# Altium PCB Discharge_B4.PcbDoc (part 1 of 2) (continued)
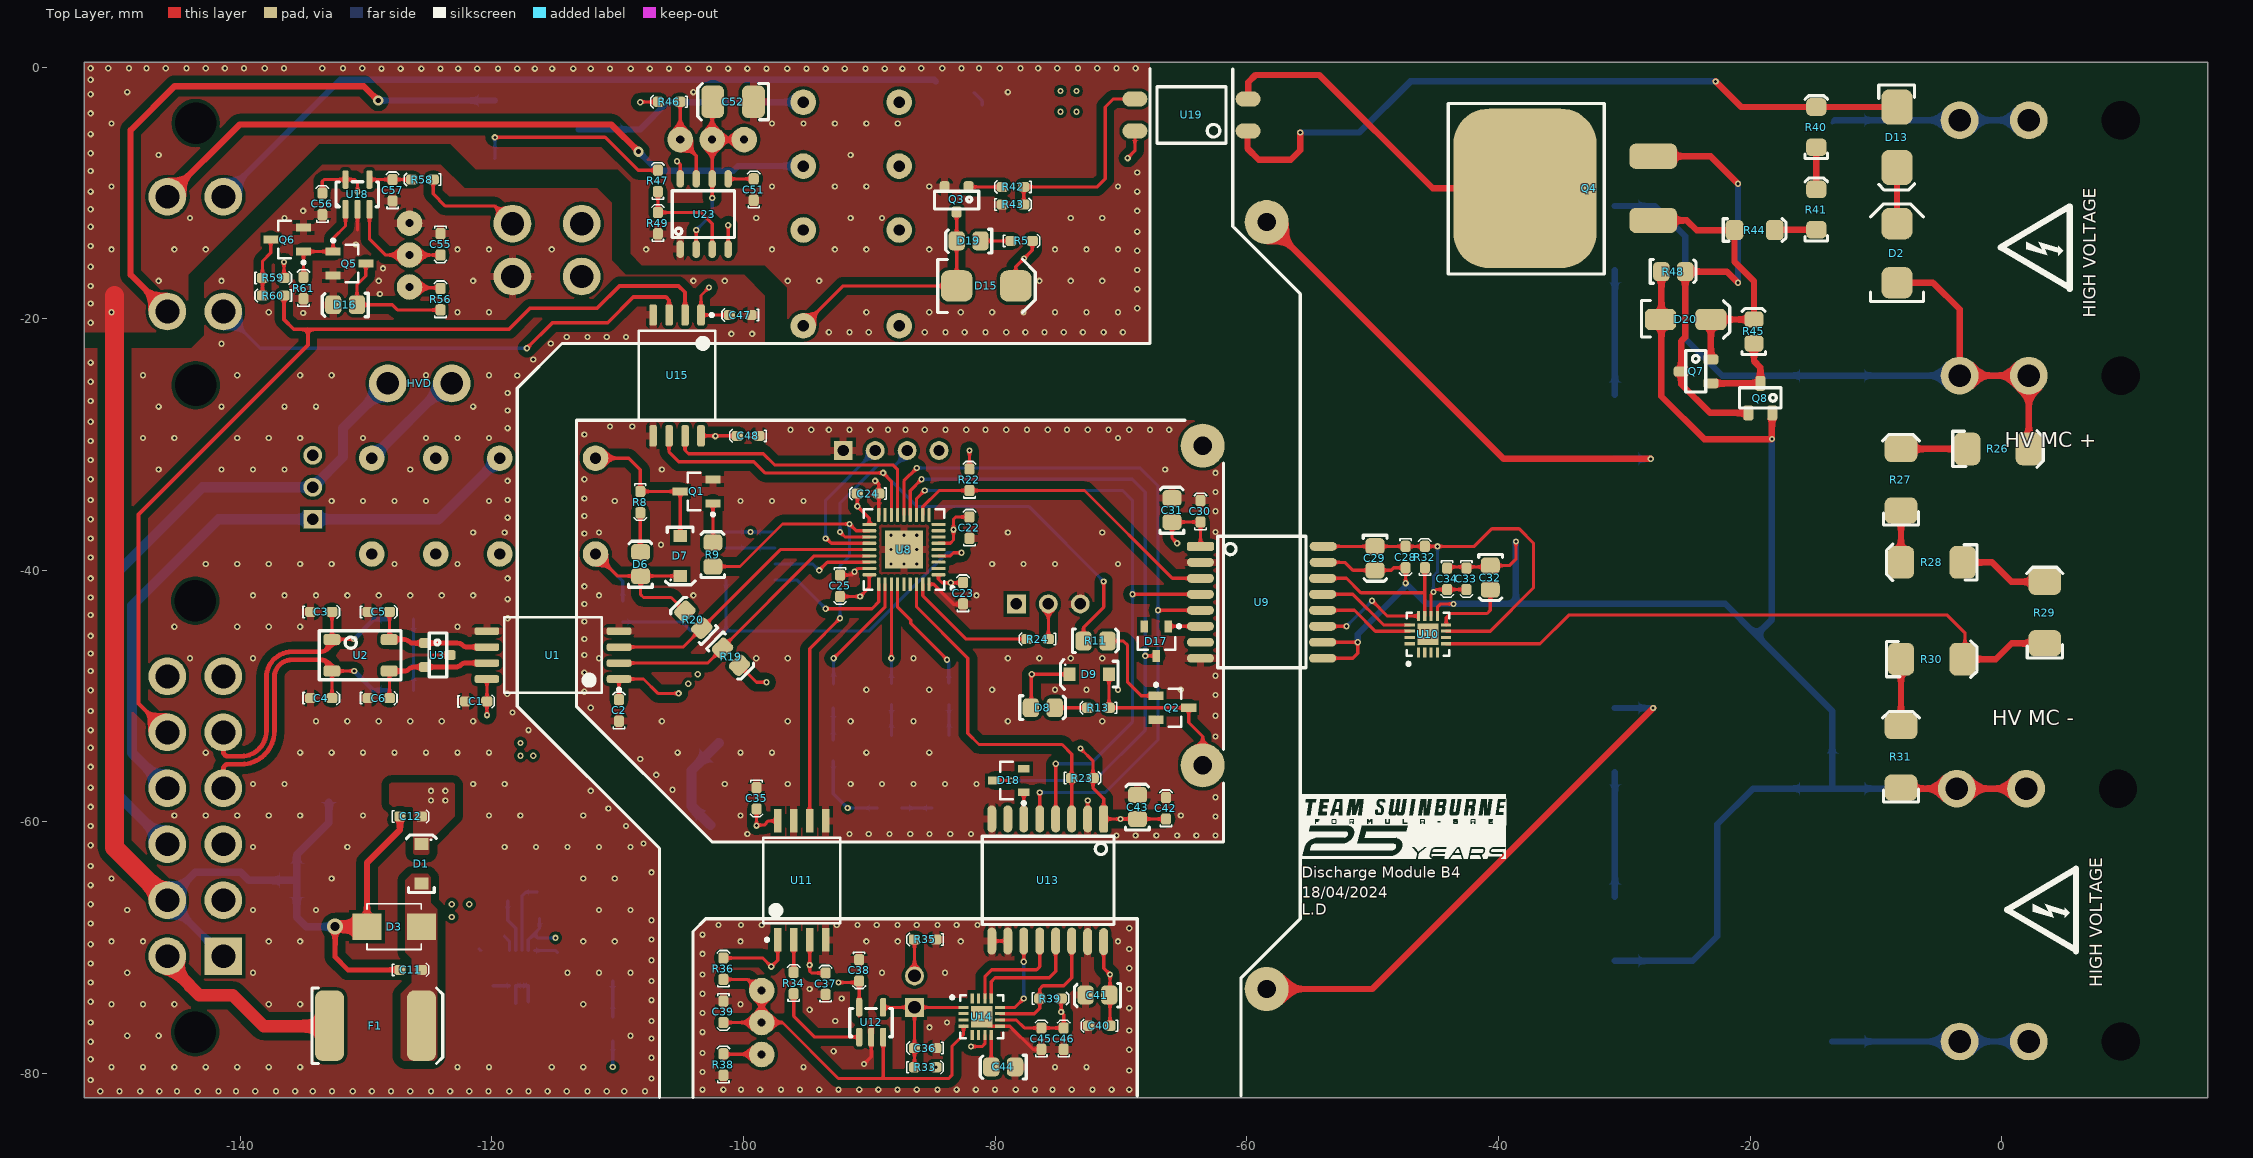
[diagram p0: Top Layer view]
## Components (designator, comment, footprint, x,y, rotation, side; value= is the part's Value field where it differs from the comment) (continued)
HVD "39293026" 39293026 -125.73,-25.146 r90 top (schematic designator P12)
K1 "V23105A5475A201" "TI 2-DIL" -120.65,-34.898 r180 bottom
K2 "V23105A5303A201" "TI 2-DIL" -91.44,-11.684 r90 bottom
L1 "12uH" 1812 -128.143,-77.343 r180 bottom
L2 "4.7uH" SRN3015TA-4R7M -122.047,-70.104 r0 bottom
L3 "47 uH" 82473C -102.28,-53.422 r315 bottom
P1 "DTF13-12P" DTF13-12P -145.796,-59.563 r90 bottom
P2 "1.27mm" 3221-10-0300-00 -99.441,-38.227 r90 bottom
P3 "39300020" 39300020 2.159,-4.23 r270 bottom
P4 "39300020" 39300020 2.159,-77.455 r270 bottom
P5 "39300020" 39300020 2.159,-24.528 r270 bottom
P6 "39300020" 39300020 1.944,-57.355 r270 bottom
P7 "2.54mm" "TH 2.54mm Header 1x3" -134.239,-35.941 r90 bottom
P9 "2.54mm" "TH 2.54mm Header 1x4" -92.075,-30.48 r0 bottom
P10 "2.54mm" "TH 2.54mm Header 1x3" -78.31,-42.672 r0 bottom
P11 "B2B-XH-A(LF)(SN)" "XH 2 PIN VERT" -86.536,-73.491 r90 bottom
Q1 "SQ2308CES-T1_GE3" "VSHY SOT-23-3" -103.729,-33.733 r180 top
Q2 "SQ2308CES-T1_GE3" "VSHY SOT-23-3" -65.913,-50.927 r0 top
Q3 "BC817-16LT1" "ON SOT-23 BJT" -83.058,-10.525 r180 top
Q4 "R6015ENJTL" "R TO-263 N-MOSFET" -37.886,-9.642 r90 top
Q5 "SQ2308CES-T1_GE3" "VSHY SOT-23-3" -131.318,-15.616 r0 top
Q6 "SQ2308CES-T1_GE3" "VSHY SOT-23-3" -136.271,-13.716 r180 top
Q7 "BC858ALT1G" "ON TO-236-3 BJT" -25.314,-24.191 r270 top
Q8 "BC848ALT1G" "ON TO-236-3 BJT" -19.177,-25.291 r180 top
Q9 "STD70N10F4" "STM TO-252 MOSFET" -112.761,-4.917 r270 bottom
R1 "15k" TE_SMF7 -13.462,-14.478 r270 bottom
R2 "15k" TE_SMF7 -13.462,-67.405 r90 bottom
R3 "56R" 0805 -127.2,-49.504 r180 bottom
R4 "56R" 0805 -127.176,-43.894 r0 bottom
R5 "2K" 0603 -78.74,-13.817 r0 top
R6 "2K" 0603 -110.389,-70.944 r270 bottom
R7 "1k" 0603 -83.312,-58.902 r180 bottom
R8 "1k" 0603 -108.204,-33.733 r270 top
R9 "100R" 0805 -102.455,-38.735 r90 top
R10 "PWR263S-35-1001J" "B TO-263" -40.937,-13.593 r270 bottom value=1k
R11 "100R" 0805 -72.009,-45.593 r0 top
R12 "PWR263S-35-1001J" "B TO-263" -40.937,-28.593 r270 bottom value=1k
R13 "1k" 0603 -70.942,-50.927 r180 top
R14 "PWR263S-35-1001J" "B TO-263" -40.937,-53.492 r270 bottom value=1k
R15 "PWR263S-35-1001J" "B TO-263" -40.937,-68.492 r270 bottom value=1k
R16 "500R" 0603 -92.863,-53.467 r270 bottom
R17 "500R" 0603 -88.249,-50.673 r90 bottom
R18 "500R" 0603 -83.693,-50.673 r90 bottom
R19 "5.1k" 0805 -100.965,-46.863 r315 top
R20 "5.1k" 0805 -104.013,-43.942 r135 top
R21 "10k" 0603 -109.601,-44.118 r90 bottom
R22 "1.2k" 0603 -82.042,-33.655 r90 top
R23 "1.2k" 0603 -73.914,-56.515 r0 top
R24 "10k" 0603 -75.77,-45.466 r180 top
R26 "330K" "VB 0207"#1 -0.491,-30.353 r0 top
R27 "330K" "VB 0207"#1 -8.001,-33.003 r90 top
R28 "330K" "VB 0207"#1 -5.351,-39.37 r180 top
R29 "330K" "VB 0207"#1 3.429,-43.561 r90 top
R30 "3.3K" "VB 0207"#2 -8.001,-47.067 r0 top
R31 "3.3K" "VB 0207"#1 -8.001,-55.027 r90 top
R32 "1.2k" 0603 -45.847,-39.8 r90 top
R33 "2K" 0603 -86.409,-79.502 r0 top
R34 "1k" 0603 -96.012,-73.66 r90 top
R35 "10k" 0603 -84.709,-69.342 r180 top
R36 "10k" 0603 -101.6,-72.517 r90 top
R37 "10K (Var)" "B 3296" -99.111,-76.032 r270 bottom
R38 "10k" 0603 -101.6,-80.137 r90 top
R39 "1.2k" 0603 -76.454,-74.041 r0 top
R40 "330K" "VB 0204" -14.732,-4.775 r90 top
R41 "330K" "VB 0204" -14.732,-11.328 r90 top
R42 "2K" 0603 -77.724,-9.525 r180 top
R43 "20K" 0603 -79.424,-10.922 r0 top
R44 "330K" "VB 0204" -19.634,-12.954 r0 top
R45 "10k" 0805 -19.711,-21.004 r90 top
R46 "5.1k" 0603 -105.063,-2.76 r180 top
R47 "10R" 0603 -106.807,-9.906 r90 top
R48 "240R" 0805 -26.084,-16.23 r0 top
R49 "20K" 0603 -106.807,-13.257 r90 top
R56 "2K" 0603 -124.079,-19.304 r90 top
R57 "10K (Var)" "B 3296" -125.984,-14.859 r90 bottom
R58 "10k" 0603 -124.665,-8.941 r180 top
R59 "1k" 0603 -138.225,-16.764 r0 top
R60 "1k" 0603 -136.525,-18.161 r180 top
R61 "20K" 0603 -134.971,-18.415 r90 top
R76 "10K (Var)" "B 3296" -102.575,-5.207 r180 bottom
U1 "ISO1042" TI-SOIC-8 -115.146,-46.736 r180 top
U2 "B82787C0104H002" "TDK 4-PC Pad" -132.715,-45.506 r0 top value="100µH @ 100kHz"
U3 "NUP2105L" "ON SOT-23" -124.333,-46.736 r270 top
U4 "744272121" "Wurth 4-PC Pad" -135.506,-72.263 r90 bottom value="120uH @ 100kHz"
U5 "LM536015QDSXRQ1" TI_10_WSON -117.61,-71.626 r270 bottom
U6 "R2S-053.3/P" "RECOM 8-SMD (5 Pin)" -109.22,-59.055 r45 bottom
U7 "3350-4275-056" "CI SPST" -63.5,-42.799 r90 bottom
U8 "STM32F103T8U6" STM_QFN-36 -87.249,-38.354 r180 top
U9 "ADUM5401" "AD 16-SOIC" -58.801,-43.815 r270 top
U10 "ADS7028" WFQN-16 -45.597,-45.089 r90 top
U11 "ADuM210N" SOIC-8W -95.377,-64.643 r90 top
U12 "TS391ILT" "ON SOT-23-5" -91.425,-78.078 r0 top
U13 "ADUM5401" "AD 16-SOIC" -77.089,-64.643 r180 top
U14 "ADS7028" WFQN-16 -81.063,-75.491 r0 top
U15 "ADuM225N" AD-SOIC-8W -105.283,-24.511 r270 top
U16 "DTF13-4P" DTF13-4P -145.796,-14.871 r90 bottom
U17 "MC7812" Onsemi_DPAK -78.74,-7.112 r270 bottom
U18 "TLV7031-Q1" "TI SOT-23-5" -131.633,-11.303 r0 top
U19 "LTV-817S-TA1" "ON 4-SMD" -64.643,-3.81 r180 top
U23 "NE555DR" "TI 8-SOIC" -102.489,-4.801 r90 top

## Footprints (in the part's own frame and the unit in brackets; to place one, negate y for a bottom-side part, rotate by r counter-clockwise, add the part's x,y. Pads: shape width x height; smd on the part's side, far side on the other; paste and mask are expansions set on the pad)
0603 [mm]
  rrect50% 0.9x0.8 smd: 1(0,0) 2(1.7,0)
  silkscreen extent -0.6,-0.5 2.3,0.5, body extent 0.05,-0.42 1.65,0.43, height 0.6
0805 [mm]
  rrect50% 1.3x1.5 smd: 1(-0.962,-0.026) 2(0.938,-0.026)
  silkscreen extent -1.85,-0.95 1.8,0.93, body extent -1,-0.65 1,0.66, height 0.73
"0805 LED" [mm]
  rrect50% 1.3x1.5 smd: A(-0.962,-0.026) K(0.938,-0.026)
  silkscreen extent -1.85,-0.95 1.8,0.93, body extent -1.09,-0.63 0.91,0.63, height 1
"1206 CAP" [mm]
  rrect50% 1.8x1.8 smd: 1(-2.81,0) 2(0.44,0)
  silkscreen extent -3.99,-1.09 1.62,1.09, body extent -2.75,-0.79 0.45,0.81, height 1.61
1210 [mm]
  rrect50% 1.8x2.6 smd: 1(-2.81,0) 2(0.44,0)
  silkscreen extent -3.99,-1.46 1.62,1.46, body extent -2.77,-1.26 0.43,1.24, height 2.51
1812 [mm]
  rrect50% 2.2x3.5 smd: 1(-1.8,0) 2(1.8,0)
  silkscreen extent -3.25,-1.75 3.25,1.75, body extent -2.25,-1.6 2.25,1.6, height 2.5
2920 [mm]
  rrect50% 2.3x5.6 smd: 1(0,0) 2(7.3,0)
  silkscreen extent -1.4,-3 9,3, body extent -0.34,-2.81 7.64,2.81, height 1.14
3221-10-0300-00 [mm]
  rect 0.76x2.4 smd: 1(-2.54,-1.95) 2(-2.54,1.95) 3(-1.27,-1.95) 4(-1.27,1.95) 5(0,-1.95) 6(0,1.95) 7(1.27,-1.95) 8(1.27,1.95) 9(2.54,-1.95) 10(2.54,1.95)
  silkscreen extent -6.35,-3.6 6.35,2.55, body extent -6.34,-2.8 6.36,2.8, height 5.25
82473C [mm]
  rrect50% 1.8x3.05 smd: 1(-2.81,0) 2(0.44,0)
  silkscreen extent -3.99,-1.68 1.62,1.73, body extent -2.81,-1.25 0.45,1.26, height 2
39293026 [mm]
  round 3 hole 1.8: 1(0,2.54) 1(0,-2.54)
  body extent -3,-5.9 3.2,5.1, height 12.8
39293046 [mm]
  round 3 hole 1.85: 1(0,0) 2(0,5.5) 3(-4.2,0) 4(-4.2,5.5)
  body extent -7.3,-2.1 3.1,8.9, height 3.5
39300020 [mm]
  round 3 hole 1.8: 1(0,0) 2(0,5.5)
  round 1.524 hole 3.05: ""(0,-7.3)
  body extent -2.7,-13.97 3.1,5.97, height 11.4
"AD 16-SOIC" [mil]
  rrect50% 28x85 smd: 1(-225,-192.02)
  oval 28x85 smd: 2(-175,-192.02) 3(-125,-192.02) 4(-75,-192.02) 5(-25,-192.02) 6(25,-192.02) 7(75,-192.02) 8(125,-192.02) 9(125,190) 10(75,189.96) 11(25,189.96) 12(-25,189.96) 13(-75,189.96) 14(-125,189.96) 15(-175,191.98) 16(-225,191.98)
  silkscreen extent -257,-138 155,138, body extent -256,-209 156,209, height 104
AD-SOIC-8W [mm]
  rrect50% 1.7x0.6 smd: 1(-4.8,1.905) 2(-4.8,0.635) 3(-4.8,-0.635) 4(-4.8,-1.905) 5(4.8,-1.905) 6(4.8,-0.635) 7(4.8,0.635) 8(4.8,1.905)
  silkscreen extent -4.92,-3.05 3.55,3.05, body extent -5.16,-3.05 5.16,3.05, height 2.65
"B 3296" [mil]
  round 80 hole 25.2: 1(-103.39,-22) 2(-3.39,-22) 3(96.61,-22)
  silkscreen extent -193,-97 187,143, body extent -191,-97 184,143, height 455
"B TO-263" [mm]
  rrect50% 2x3.8 smd: 1(-2.55,-10.2) 2(2.55,-10.2)
  rrect50% 12.7x11.4 smd: ""(0,0)
  silkscreen extent -6.8,-10.56 6.75,6.1, body extent -5.19,-11.02 5.45,4.83, height 4.8
"CHEMI-CON ELCO" [mm]
  rect 3.55x1.85 smd: 1(-2.65,0) 2(2.65,0)
  silkscreen extent -4.43,-3.3 3.3,3.3, body extent -3.7,-3.4 3.7,3.4, height 6.1
"CI SPST" [mm]
  round 3.5 hole 1.45: 1(30.48,5.08) 2(12.7,0) 3(-12.7,0) 4(-30.48,5.08)
  silkscreen extent -38.73,-8.26 38.73,13.97, body extent -38.1,-4.45 38.1,13.34, height 20.57
"DI SMA Diode" [mm]
  rrect50% 2.5x1.7 smd: A(0,0) K(4,0)
  silkscreen extent -1.5,-1.5 5.5,1.5, body extent -0.8,-1.46 4.79,1.46, height 2.35
"DI SMB Diode" [mm]
  rrect50% 2.8x2.5 smd: A(-0.25,0) K(4.55,0)
  silkscreen extent -2,-1.45 6.35,1.4, body extent -0.69,-1.45 4.89,1.47, height 2.35
DTF13-4P [mm]
  round 3 hole 3.3 unplated: 0(-10.415,2.25) 0(10.415,2.25)
  round 3 hole 1.9: 1(-4.56,4.45) 2(-4.56,0) 3(4.56,4.45) 4(4.56,0)
  silkscreen extent -5,-4.45 5,-4.45, body extent -13.68,-25.73 13.5,7.73, height 23.65
DTF13-12P [mm]
  round 3 hole 3.3 unplated: 0(-17.145,2.22) 0(17.145,2.22)
  rect 3x3 hole 1.9: 1(-11.114,4.45)
  round 3 hole 1.9: 2(-6.664,4.45) 3(-2.214,4.45) 4(2.236,4.45) 5(6.686,4.45) 6(11.136,4.45) 7(11.136,0) 8(6.686,0) 9(2.236,0) 10(-2.214,0) 11(-6.664,0) 12(-11.114,0)
  silkscreen extent -15.56,-4.45 15.59,-4.45, body extent -20.79,-27.74 20.79,6.55, height 23.13
NEXPERIA_SOT23 [mm]
  rect 0.95x0.6 smd: 2(-1.175,-0.95) A(-1.175,0.95) K(1.175,0)
  silkscreen extent -1.3,-1.5 0.7,1.93, body extent -1.33,-1.5 1.33,1.5, height 1.1
"ON 4-SMD" [mm] "SOP, 4-Leads, Body 3.85x4.4mm, Pitch 2.54mm, IPC Medium Density"
  oval 2x1.2 smd: 1(-4.75,1.27) 2(-4.75,-1.27) 3(4.25,-1.27) 4(4.25,1.27)
  silkscreen extent -3,-2.25 2.5,2.25, body extent -5.33,-2.3 4.83,2.3, height 4.6
"ON SOT-23" [mm] "NUP2105L"
  rrect50% 0.8x0.9 smd: 1(-0.95,-1) 2(0.95,-1) 3(0,1)
  silkscreen extent -1.75,-0.65 1.75,0.75, body extent -1.5,-1.27 1.5,1.28, height 1
"ON SOT-23 BJT" [mm] "NUP2105L"
  rrect50% 0.8x0.9 smd: B(-0.95,-1) C(0,1) E(0.95,-1)
  silkscreen extent -1.75,-0.65 1.75,0.75, body extent -1.5,-1.27 1.5,1.28, height 1
"ON SOT-23-5" [mil]
  rrect50% 19x58 smd: 1(24.61,38.39) 2(62.01,38.39) 3(99.41,38.39) 4(99.41,131.39) 5(24.61,131.39)
  silkscreen extent -5,39 128,128, body extent 2,27 122,145, height 57
"ON TO-236-3 BJT" [mm]
  rrect50% 0.8x1.2 smd: B(0.95,2.2) C(0,-0.15) E(-0.95,2.2)
  silkscreen extent -1.65,0.2 1.65,1.8, body extent -1.45,-0.35 1.45,2.25, height 1
Onsemi_DPAK [mm] "D-PAK, 3-Pads, Body 6.21x6.73mm (max), IPC Medium Density"
  rrect50% 3x1.6 smd: 1(-4.1,2.28) 3(-4.1,-2.28)
  rrect50% 6.4x5.8 smd: 2(3.23,0)
  silkscreen extent -4.22,-3.35 -1.25,3.45, body extent -4.39,-3.37 5.52,3.37, height 2.38
"R TO-263 N-MOSFET" [mm]
  rrect50% 12.7x11.4 smd: D(0,0)
  rrect50% 2x3.8 smd: G(-2.55,-10.2) S(2.55,-10.2)
  silkscreen extent -6.8,-6.3 6.75,6.1, body extent -5.03,-9.64 5.08,4.56, height 4.7
"RECOM 8-SMD (5 Pin)" [mm]
  rrect50% 1.2x2.4 smd: 1(-3.81,-5.4) 2(-1.27,-5.4) 4(3.81,-5.4) 5(3.81,5.5) 8(-3.81,5.5)
  silkscreen extent -6.5,-4 6.5,4, body extent -6.38,-5.55 6.38,5.55, height 9.2
SM6T39CAY-Footprint-1 [mm]
  rect 2.28x2.12 smd: A(2.165,0) K(-2.165,0)
  silkscreen extent -2.16,-1.81 2.16,1.81, body extent -2.79,-1.98 2.79,1.98, height 2.64
"SMB Diode" [mm]
  rrect50% 2.5x2.5 smd: A(-0.25,0) K(4.45,0)
  silkscreen extent -1.75,-2.1 6,2.1, body extent -0.69,-1.97 4.9,1.97, height 2.5
SODFL350X110-2N [mm] "SODFL, 2-Leads, Body 1.70x3.50mm, IPC Medium Density"
  rect 0.95x1.1 smd: A(1.575,0) K(-1.575,0)
  silkscreen extent -2.29,-1.19 2.28,1.18, body extent -1.75,-0.95 1.75,0.95, height 1.1
SOIC-8W [mm]
  rect 1.85x0.6 smd: 1(-4.725,1.905) 2(-4.725,0.635) 3(-4.725,-0.635) 4(-4.725,-1.905) 5(4.725,-1.905) 6(4.725,-0.635) 7(4.725,0.635) 8(4.725,1.905)
  silkscreen extent -4.85,-3.05 3.4,3.05, body extent -5.16,-3.05 5.16,3.05, height 2.65
SRN3015TA-4R7M [mm]
  rect 1.1x3.2 smd: 1(-1.05,0) 2(1.05,0)
  silkscreen extent -2.1,-0.05 -2,0.05, body extent -1.46,-1.47 1.61,1.47, height 1.4
"STM TO-252 MOSFET" [mm]
  rrect50% 6.7x6.7 smd: D(0.05,0.35)
  oval 1.6x3 smd: G(2.35,7) S(-2.25,7)
  silkscreen extent -3.75,-3.4 3.75,4.5, body extent -3.33,-2.67 3.39,7.75, height 2.39
STM_QFN-36 [mm]
  rrect50% 1.1x0.25 smd: 1(-2.75,2) 2(-2.75,1.5) 3(-2.75,1) 4(-2.75,0.5) 5(-2.75,0) 6(-2.75,-0.5) 7(-2.75,-1) 8(-2.75,-1.5) 9(-2.75,-2) 19(2.75,-2) 20(2.75,-1.5) 21(2.75,-1) 22(2.75,-0.5) 23(2.75,0) 24(2.75,0.5) 25(2.75,1) 26(2.75,1.5) 27(2.75,2)
  rrect50% 0.25x1.1 smd: 10(-2,-2.75) 11(-1.5,-2.75) 12(-1,-2.75) 13(-0.5,-2.75) 14(0,-2.75) 15(0.5,-2.75) 16(1,-2.75) 17(1.5,-2.75) 18(2,-2.75) 28(2,2.75) 29(1.5,2.75) 30(1,2.75) 31(0.5,2.75) 32(0,2.75) 33(-0.5,2.75) 34(-1,2.75) 35(-1.5,2.75) 36(-2,2.75)
  rect 3x3 smd: 37(0,0)
  silkscreen extent -3.99,-3.21 3.21,3.21, body extent -3.08,-3.08 3.08,3.08, height 1
"TDK 4-PC Pad" [mm]
  rrect50% 1.35x0.9 smd: 1(0,-2.5) 2(0,0) 3(4.55,0) 4(4.55,-2.5)
  silkscreen extent -1,-3.2 5.5,0.7, body extent -0.02,-2.82 4.48,0.38, height 2.8
TE_SMF7 [mm]
  rect 5.6x5.2 smd: 1(-10.05,0) 2(10.05,0)
  silkscreen extent -12.25,-4.75 12.25,4.75, body extent -12.25,-4.75 12.25,4.75, height 9.9
"TH 2.54mm Header 1x3" [mm]
  rect 1.5x1.5 hole 0.9: 1(0,0)
  round 1.5 hole 0.9: 2(2.54,0) 3(5.08,0)
  silkscreen extent -1.27,-1.27 6.35,1.27, body extent -1.27,-1.27 6.35,1.27, height 9.5
"TH 2.54mm Header 1x4" [mm]
  rect 1.5x1.5 hole 0.9: 1(0,0)
  round 1.5 hole 0.9: 2(2.54,0) 3(5.08,0) 4(7.62,0)
  silkscreen extent -1.27,-1.27 8.89,1.27, body extent -1.27,-1.27 8.89,1.27, height 9.5
"TI 2-DIL" [mil]
  round 80 hole 35.43: 1(-350,-150) 4(-50,-150) 6(150,-150) 8(350,-150) 9(350,150) 11(150,150) 13(-50,150) 16(-350,150)
  silkscreen extent -400,-200 400,200, body extent -398,-197 398,197, height 450
"TI 8-SOIC" [mm]
  oval 1.4x0.6 smd: 1(-9.677,2.54) 2(-9.677,1.27) 3(-9.677,0) 4(-9.677,-1.27) 5(-4.089,-1.27) 6(-4.089,0) 7(-4.089,1.27) 8(-4.089,2.54)
  silkscreen extent -8.74,-1.78 -5.03,3.17, body extent -9.96,-1.87 -3.76,3.14, height 1.76
"TI SOT-23-5" [mil]
  rrect50% 19x58 smd: 1(0,0) 2(37.4,0) 3(74.8,0) 4(74.8,93) 5(0,93)
  silkscreen extent -30,8 103,86, body extent -23,-12 97,106, height 57
TI-SOIC-8 [mm]
  rrect50% 1.95x0.6 smd: 1(-5.25,1.905) 2(-5.25,0.635) 3(-5.25,-0.635) 4(-5.25,-1.905) 5(5.25,-1.905) 6(5.25,-0.635) 7(5.25,0.635) 8(5.25,1.905)
  silkscreen extent -5.38,-3 3.88,3, body extent -5.75,-3 5.75,3, height 2.8
TI_10_WSON [mm]
  rect 0.85x0.25 smd: 1(-1.395,1) 2(-1.395,0.5) 3(-1.395,0) 4(-1.395,-0.5) 5(-1.395,-1) 6(1.395,-1) 7(1.395,-0.5) 8(1.395,0) 9(1.395,0.5) 10(1.395,1)
  rect 1.54x2.4 smd: 11(0,0)
  silkscreen extent -2.12,-1.68 1.67,1.72, body extent -1.58,-1.53 1.58,1.53, height 0.8
"VB 0204" [mm]
  rrect50% 1.4x1.6 smd: 1(-1.6,0) 2(1.6,0)
  silkscreen extent -2.5,-0.9 2.5,0.9, body extent -1.8,-0.7 1.8,0.7, height 1.4
"VB 0207"#1 [mm]
  rrect50% 2.1x2.6 smd: 1(-2.25,0) 2(2.65,0)
  silkscreen extent -3.4,-1.45 3.8,1.45, body extent -2.7,-1.1 3.1,1.1, height 2.19
"VB 0207"#2 [mm]
  rrect50% 2.1x2.6 smd: 1(0,0) 2(4.9,0)
  silkscreen extent -1.15,-1.45 6.05,1.45, body extent -0.45,-1.1 5.35,1.1, height 2.19
"VSHY SOT-23-3" [mm] "SOT23, 3-Leads, Body 2.92x2.37mm, Pitch 0.95mm, IPC Low Density"
  rect 1.2x0.65 smd: D(1.3,0) G(-1.3,0.95) S(-1.3,-0.95)
  silkscreen extent -1.43,-1.5 0.7,1.95, body extent -1.32,-1.52 1.32,1.52, height 1.12
WFQN-16 [mm]
  rect 0.8x0.25 smd: 1(-1.45,0.75) 2(-1.45,0.25) 3(-1.45,-0.25) 4(-1.45,-0.75) 9(1.45,-0.75) 10(1.45,-0.25) 11(1.45,0.25) 12(1.45,0.75)
  rect 0.25x0.8 smd: 5(-0.75,-1.45) 6(-0.25,-1.45) 7(0.25,-1.45) 8(0.75,-1.45) 13(0.75,1.45) 14(0.25,1.45) 15(-0.25,1.45) 16(-0.75,1.45)
  rect 1.68x1.68 smd: 17(0,0)
  silkscreen extent -2.47,-1.7 1.7,1.7, body extent -1.6,-1.6 1.6,1.6, height 0.8
"Wurth 4-PC Pad" [mm]
  rrect50% 2.7x2.7 smd: 1(7.62,6.22) 2(0,6.22) 3(0,0) 4(7.62,0)
  silkscreen extent -1.7,-1.8 9.4,8, body extent -1.19,-1.24 8.81,7.46, height 6.2
"XH 2 PIN VERT" [mm]
  round 1.508 hole 1: 1(1.25,0.127)
  rect 1.508x1.508 hole 1: 2(-1.25,0.127)
  silkscreen extent -3.7,-3.3 3.7,3.71, body extent -3.61,-3.24 3.61,2.6, height 7.21

## Part data
C1 C2 C10 C11 C12 C15 C18 C22 C23 C24 C25 C28 C30 C33 C34 C35 C36 C37 C38 C39 C40 C42 C45 C46 C47 C48 C51 C55 C56: library part GCM188L81H104KA57D, Digikey Part Number=490-6049-1-ND, Manufacturer=muRata, Rated Voltage=50V, Temperature Rating=X8L, Tolerance=±10%, Material=MLCC, Part Number=GCM188L81H104KA57D
C3 C4 C5 C6: library part GRM1885C1H101JA01D, Digikey Part Number=490-1427-1-ND, Manufacturer="Murata Electronics", Rated Voltage=50V, Temperature Rating="C0G, NP0", Tolerance=±5%, Material=MLCC, Part Number=GRM1885C1H101JA01D
C7: library part GRM21BR61A226ME51L, Digikey Part Number=490-10511-1-ND, Manufacturer=muRata, Rated Voltage=10V, Temperature Rating=X5R, Tolerance=20%, Material=MLCC, Part Number=GRM21BR61A226ME51L
C8 C9 C19 C20 C29 C31 C41 C43 C49 C50: library part GRM21BR6YA106KE43L, Digikey Part Number=490-10514-6-ND, Manufacturer=muRata, Rated Voltage=50V, Temperature Rating=X5R, Tolerance=10%, Material=MLCC, Part Number=GRM21BR6YA106KE43L
C13: library part HHXA350ARA470MF61G, Part Number=HHXA350ARA470MF61G
C14 C21: library part GRM31CR71H475KA12K, Digikey Part Number=490-GRM31CR71H475KA12KTR-ND, Manufacturer="Murata Electronics", Rated Voltage=50V, Temperature Rating=X7R, Tolerance=±10%, Material=MLCC, Part Number=GRM31CR71H475KA12K
C16 C32 C44: library part GCM21BR71H105KA03L, Digikey Part Number=490-10675-1-ND, Manufacturer=muRata, Rated Voltage=50V, Temperature Rating=X7R, Tolerance=±10%, Material=MLCC, Part Number=GCM21BR71H105KA03L
C17 C57: library part GCM188L81H103KA03D, Digikey Part Number=490-GCM188L81H103KA03DCT-ND, Manufacturer=muRata, Rated Voltage=50V, Temperature Rating=X8L, Tolerance=±10%, Material=MLCC, Part Number=GCM188L81H103KA03D
C52: library part GRM32ER71E226KE15L, Digikey Part Number=490-5313-2-ND, Manufacturer="Murata Electronics", Rated Voltage=25V, Temperature Rating=X7R, Tolerance=±10%, Material=MLCC, Part Number=GRM32ER71E226KE15L
CS: Digikey Part Number=WM3844-ND, Angle=0, Contact=Tin, Flange=No, Part Number=39293046, Pitch=4.2mm, Positions=4, Row Spacing=5.5mm
D1 D7 D9: library part CMP-004-00005-4, "Diode 100 V 1A Surface Mount SOD-123W"
D2 D15: "1.2V_F 600V 5A SMB", Digikey Part Number=1655-1530-2-ND, Manufacturer="SMC Diode Solutions", Digikey Link=https://www.digikey.com/product-detail/en/smc-diode-solutions/SD560BTR/1655-1530-2-ND/6022620, Part Number=SD560BTR
D3: library part CMP-004-00003-4, "TVS Diode Single Bi-Dir 33.3V 600W Automotive 2-Pin SMB T/R / TVS DIODE 33.3VWM 69.7VC SMB", Breakdown Voltage=39V, Case/Package=DO-214AA, Clamping Voltage=53.9V, Leakage Current=200nA, Max Breakdown Voltage=41V, Max Operating Temperature=150°C, Max Power Dissipation=600W, Max Surge Current=11.1A, Min Breakdown Voltage=37.1V, Min Operating Temperature=-55°C, Operating Supply Voltage=30V, Package Quantity=1, Peak Pulse Current=57A, Power Line Protection=No, Resistor Type=Zener, Reverse Standoff Voltage=33.3V, Test Current=1mA, Diode Type=ZENER, Direction=Bidirectional, Element Configuration=Single, Height=2.45mm, Length=4.6mm, Max Reverse Leakage Current=200nA, Mount="Surface Mount", Number of Bidirectional Channels=1, Number of Channels=1, Number of Elements=1, Number of Pins=2, Packaging="Tape and Reel", Peak Pulse Power=600W, Polarity=Bidirectional, Radiation Hardening=No, REACH SVHC="No SVHC", Reverse Breakdown Voltage=37.1V, RoHS Compliant=Yes, Series="Automotive, AEC-Q101, SM6TY, TRANSIL™", Termination=SMD/SMT, Width=3.95mm
D4 D5 D19: library part SML-210LTT86, "Red LED Indication - Discrete 1.75V 0805 (2012 Metric)", Digikey Part Number=511-1286-1-ND, Manufacturer="ROHM Semiconductor", Colour=Red, Part Number=SML-210LTT86
  D19: Digikey Link=https://www.digikey.com/product-detail/en/rohm-semiconductor/SML-210LTT86/511-1286-1-ND/637099
D6 D8 D16: library part SML-210FTT86, "Green LED Indication - Discrete 1.75V 0805 (2012 Metric)", Digikey Part Number=511-1285-1-ND, Manufacturer="ROHM Semiconductor", Colour=Green, Part Number=SML-210FTT86
D10 D11 D12: library part SML-211YTT86, "Yellow LED Indication - Discrete 1.75V 0805 (2012 Metric)", Digikey Part Number=511-1293-1-ND, Manufacturer="ROHM Semiconductor", Colour=Yellow, Part Number=SML-211YTT86
D13: "DIODE ZENER 51V 3W SMB", Digikey Part Number=1SMB5942B-13DICT-ND, Manufacturer="Diodes Inc", Digikey Link=https://www.digikey.com/product-detail/en/diodes-incorporated/1SMB5942B-13/1SMB5942B-13DICT-ND/5054245, Part Number=1SMB5942B-13
D17 D18: Breakdown Voltage=250V, Forward Voltage=1.0V, Manufacturer="Nexperia USA Inc.", Rated Power=250mW, Part Number=BAS-21
D20: "DIODE ZENER 5.6V 1W SMA", Digikey Part Number=SMAZ5V6-FDICT-ND, Manufacturer="Diodes Inc", Digikey Link=https://www.digikey.com/product-detail/en/diodes-incorporated/SMAZ5V6-13-F/SMAZ5V6-FDICT-ND/755500, Part Number=SMAZ5V6-13-F
F1: "PTC RESET FUSE 60V 1A 292", Digikey Part Number=507-2070-1-ND, Manufacturer="Littelfuse Inc.", Digikey Link=https://www.digikey.com/product-detail/en/bel-fuse-inc/0ZCF0100AF2A/507-2070-1-ND/6210547, Part Number=0ZCF0100AF2A
HVD: Digikey Part Number=WM3843-ND, Angle=0, Contact=Tin, Flange=No, Part Number=39293026, Pitch=4.2mm, Positions=2, Row Spacing=5.5mm
K1: library part CMP-036-000001-1, "5V DPDT Relay 3A 220VDC", Part Number=V23105A5475A201
K2: "RELAY TELECOM DPDT 3A 12V", Digikey Part Number=PB387-ND, Manufacturer="TE Connectivity", Digikey Link=https://www.digikey.com/product-detail/en/te-connectivity-potter-brumfield-relays/V23105A5303A201/PB387-ND/291023, Part Number=V23105A5303A201
L1: library part RLS-126, Digikey Part Number=945-3429-ND, Manufacturer=Recom, Rated Current="0.8 A", Tolerance=0.2, Impedance=230mOhm, Material=Wirewound, Part Number=RLS-126
L2: library part SRN3015TA-4R7M, Digikey Part Number=SRN3015TA-4R7MCT-ND, Manufacturer=Bourns, Rated Current=1.2A, Tolerance=0.2, Impedance=120mOhms, Material=Wirewound, Part Number=SRN3015TA-4R7M
L3: library part 82473C, Digikey Part Number=811-2477-2-ND, Manufacturer="Murata Power Solutions Inc.", Rated Current=250mA, Tolerance=0.1, Impedance="1.69 Ohms", Material=Wirewound, Part Number=82473C
P1: Digikey Part Number=1734-1861-ND, Angle=90, Contact="Copper Alloy", Digikey Link=https://www.digikey.com/products/en?keywords=dtf13-12pa, Flange=No, Part Number=DTF13-12P, Pitch=4.45mm, Positions=12, Row Spacing=4.45mm
P2: library part "SMD 1.27mm Header 2x5 (3221-10-0300-00)", Angle=0, Contact=NA, Flange=No, Part Number="SMD 1.27mm Header 2x5 (3221-10-0300-00)", Pitch=1.27mm, Positions=10, Row Spacing=1.27mm
P3 P4 P5 P6: Digikey Part Number=WM21351-ND, Angle=90, Contact=Tin, Flange=No, Part Number=39300020, Pitch=4.2mm, Positions=2, Row Spacing=5.5mm
P7 P10: library part "TH 2.54mm Header 1x3", Angle=0, Contact=NA, Flange=No, Part Number="TH 2.54mm Header 1x3", Pitch=2.54mm, Positions=3, Row Spacing=2.54mm
P9: library part "TH 2.54mm Header 1x4", Angle=0, Contact=NA, Flange=No, Part Number="TH 2.54mm Header 1x4", Pitch=2.54mm, Positions=4, Row Spacing=2.54mm
P11: Digikey Part Number=455-2247-ND, Angle=0, Contact=Tin, Digikey Link=https://www.digikey.com.au/en/products/detail/jst-sales-america-inc/B2B-XH-A-LF-SN/1651045, Flange=No, Part Number=B2B-XH-A(LF)(SN), Pitch=2.54mm, Positions=2, Row Spacing=2.54mm
Q1 Q2 Q5 Q6: "MOSFET N-CH 60V 2.3A SOT23", Digikey Part Number=SQ2308CES-T1_GE3CT-ND, Manufacturer="Vishay Siliconix", Rated Power=2W, LatestRevisionDate=29-May-2009, LatestRevisionNote="IPC-7351 Footprint Added.", PackageDescription="4-Pin SOT-343 Package 1.3 mm Pitch, 2.1 mm Lead Span", PackageReference=SOT-343, PackageVersion=Sep-2000, Part Number=SQ2308CES-T1_GE3, Published=24-Mar-1999, Publisher="Altium Limited", Type=N-channel
Q3: "300mW  BJT NPN Transistor", Digikey Part Number=BC817-16LT1OSTR-ND, Manufacturer="ON Semiconductor", Digikey Link=https://www.digikey.com.au/product-detail/en/on-semiconductor/BC817-16LT1/BC817-16LT1OSTR-ND/606178, Part Number=BC817-16LT1
Q4: "MOSFET N-CH 600V 15A LPT", Digikey Part Number=R6015ENJTLCT-ND, Manufacturer="Rohm Semiconductor", Digikey Link=https://www.digikey.com.au/product-detail/en/rohm-semiconductor/R6015ENJTL/R6015ENJTLCT-ND/5042516, LatestRevisionDate=29-May-2009, LatestRevisionNote="IPC-7351 Footprint Added.", PackageDescription="4-Pin SOT-343 Package 1.3 mm Pitch, 2.1 mm Lead Span", PackageReference=SOT-343, PackageVersion=Sep-2000, Part Number=R6015ENJTL, Published=24-Mar-1999, Publisher="Altium Limited"
Q7: "TRANS PNP 30V 0.1A SOT-23", Digikey Part Number=BC858ALT1GOSCT-ND, Manufacturer="ON Semiconductor", Digikey Link=https://www.digikey.com.au/product-detail/en/on-semiconductor/BC858ALT1G/BC858ALT1GOSCT-ND/3462248?fbclid=IwAR0XE0JmsZu1bfxkpmh7_fMKeVVYT41RbargOB6Kv0hZlYRUvP_HzrN_yXU, Part Number=BC858ALT1G
Q8: "TRANS NPN 30V 0.1A SOT23", Digikey Part Number=BC848ALT1GOSCT-ND, Manufacturer="ON Semiconductor", Digikey Link=https://www.digikey.com/product-detail/en/on-semiconductor/BC848ALT1G/BC848ALT1GOSCT-ND/917837, Part Number=BC848ALT1G
Q9: "N-Channel 100V 60A (Tc) 125W (Tc) Surface Mount DPAK", Digikey Part Number=497-8806-2-ND, Manufacturer=STMicroelectronics, Rated Power=125W, LatestRevisionDate=29-May-2009, LatestRevisionNote="IPC-7351 Footprint Added.", PackageDescription="4-Pin SOT-343 Package 1.3 mm Pitch, 2.1 mm Lead Span", PackageReference=SOT-343, PackageVersion=Sep-2000, Part Number=STD70N10F4, Published=24-Mar-1999, Publisher="Altium Limited", Type=N-channel
R1 R2: library part SMF715KJ, Manufacturer=TE, Rated Power=7W, Tolerance=0.05, Material="Metal Film", Part Number=SMF715KJ
R3 R4: library part RC0805FR0756RL, Digikey Part Number=311-56.0CRCT-ND, Manufacturer=YAGEO, Rated Power=0.125W, Tolerance=0.01, Material=FR-07, Part Number=RC0805FR0756RL
R5 R6 R33 R42 R56: library part RC0603FR-072KL, Digikey Part Number=311-2.00KHRCT-ND, Manufacturer=YAGEO, Rated Power=0.1W, Tolerance=0.01, Material=FR-07, Part Number=RC0603FR-072KL
R7 R8 R13 R34 R59 R60: library part RC0603FR-071KL, Digikey Part Number=311-1.00KHRCT-ND, Manufacturer=YAGEO, Rated Power=0.1W, Tolerance=0.01, Material=FR-07, Part Number=RC0603FR-071KL
R9 R11: library part RC0805FR07100RL, Digikey Part Number=311-100CRCT-ND, Manufacturer=YAGEO, Rated Power=0.125W, Tolerance=0.01, Material=FR-07, Part Number=RC0805FR07100RL
R10 R12 R14 R15: library part CMP-037-000402-1, Digikey Part Number=PWR263S-35-1001J-ND, Manufacturer="Bournes Inc", Rated Voltage=35W, Tolerance=0.05, Part Number=PWR263S-35-1001J
R16 R17 R18: library part RT0603BRD07500RL, Digikey Part Number=13-RT0603BRD07500RL-ND, Manufacturer=YAGEO, Rated Power=0.1W, Tolerance=0.01, Material=FR-07, Part Number=RT0603BRD07500RL
R19 R20: library part RC0805FR075K1L, Digikey Part Number=311-5.10KCRCT-ND, Manufacturer=YAGEO, Rated Power=0.125W, Tolerance=0.01, Material=FR-07, Part Number=RC0805FR075K1L
R21 R24 R35 R36 R38 R58: library part RC0603FR-0710KL, Digikey Part Number=311-10.0KHRCT-ND, Manufacturer=YAGEO, Rated Power=0.1W, Tolerance=0.01, Material=FR-07, Part Number=RC0603FR-0710KL
R22 R23 R32 R39: library part RC0603JR-071K2L, Digikey Part Number=311-1.2KGRCT-ND, Manufacturer=YAGEO, Rated Power=0.1W, Tolerance=0.01, Material=FR-07, Part Number=RC0603JR-071K2L
R26 R27 R28 R29: library part MMB02070C3303FB200, Digikey Part Number=MMB-330KBCT-ND, Manufacturer="Vishay Beyschlag", Rated Power=1W, Tolerance=0.01, Part Number=MMB02070C3303FB200
R30 R31: library part MMB02070C3301FB200, Digikey Part Number=MMB-3.30KBCT-ND, Manufacturer="Vishay Beyschlag", Rated Voltage=1W, Tolerance=0.01, Part Number=MMB02070C3301FB200
R37 R57: library part 3296W-1-103LF, Digikey Part Number=3296W-103LF-ND, Manufacturer="Bournes Inc", Rated Power=0.5W, Tolerance=0.1, Part Number=3296W-1-103LF
R40 R41 R44: library part MMA02040C3303FB300, Digikey Part Number=MMA-330KACT-ND, Manufacturer="Vishay Beyschlag", Rated Voltage=0.4W, Tolerance=0.01, Part Number=MMA02040C3303FB300
R43 R49 R61: library part RC0603FR-0720KL, Digikey Part Number=311-20.0KHRCT-ND, Manufacturer=YAGEO, Rated Power=0.1W, Tolerance=0.01, Material=FR-07, Part Number=RC0603FR-0720KL
R45: library part RC0805FR0710KL, Digikey Part Number=311-10.0KCRCT-ND, Manufacturer=YAGEO, Rated Voltage=0.125W, Tolerance=0.01, Material=FR-07, Part Number=RC0805FR0710KL
R46: library part RC0603JR-075K1L, Digikey Part Number=311-5.1KGRCT-ND, Manufacturer=YAGEO, Rated Power=0.1W, Tolerance=0.01, Material=FR-07, Part Number=RC0603JR-075K1L
R47: library part RC0603FR-0710RL, Digikey Part Number=311-10.0HRCT-ND, Manufacturer=YAGEO, Rated Power=0.1W, Tolerance=0.01, Material=FR-07, Part Number=RC0603FR-0710RL
R48: library part RC0805FR07240RL, Digikey Part Number=311-240CRCT-ND, Manufacturer=YAGEO, Rated Voltage=0.125W, Tolerance=0.01, Material=FR-07, Part Number=RC0805FR07240RL
R76: library part 3296W-1-103LF, Digikey Part Number=3296W-103LF-ND, Manufacturer="Bournes Inc", Rated Voltage=0.5W, Tolerance=0.1, Part Number=3296W-1-103LF
U1: "IC CAN TRANSCEIVER 1/1 8SOIC", Digikey Part Number=296-ISO1042BQDWVQ1-ND, Manufacturer="Texas Instruments", Part Number=ISO1042
U2: Digikey Part Number=495-4598-1-ND, Manufacturer="EPCOS (TDK)", Rated Current=150mA, Impedance="5.8 kOhms @ 10MHz", Material=Wirewound, Part Number=B82787C0104H002
U3: "Dual Line CAN Bus Protector", Digikey Part Number=NUP2105LT1GOSCT-ND, Manufacturer="ON Semiconductor", Digikey Link=https://www.digikey.com/product-detail/en/on-semiconductor/NUP2105LT1G/NUP2105LT1GOSCT-ND/1485001, Part Number=NUP2105L
U4: Digikey Part Number=732-1489-1-ND, Manufacturer="Wurth Electronics Inc", Rated Current="2.5 A", Impedance="460 Ohms @ 30MHz", Material=Wirewound, Part Number=744272121
U5: "DC DC CONVERTER 5V", Digikey Part Number=296-50359-1-ND, Input Voltage="4.5 to 36 V", Manufacturer="Texas Instruments", Output Current="1.0 A", Output Voltage=5V, Part Number=LM536015QDSXRQ1
U6: "Isolated Module DC DC Converter 1 Output 3.3V 606mA 4.5V - 5.5V Input", Digikey Part Number=945-2677-5-ND, Input Voltage=4.5V-5.5V, Manufacturer=Recom, Output Current=606mA, Output Voltage=3.3V, Part Number=R2S-053.3/P
U7: library part CMP-035-000005-1, "RELAY REED HV SPST 200W 3A 5V (NC)", Part Number=3350-4275-056
U8: "ARM® Cortex®-M3 STM32F1 Microcontroller IC 32-Bit 72MHz 64KB (64K x 8) FLASH QFN", Manufacturer="ST Microelectronics", Digikey Link=https://www.digikey.com/en/products/detail/stmicroelectronics/stm32f103t8u6/1852493, Digikey Part Number=STM32F103T8U6, Part Number=STM32F103T8U6
U9 U13: "Quad Channel 2.5kV Digital Isolator with isoPower", Manufacturer="Analogue Devices", Part Number=ADUM5401
U10 U14: library part ADS7028IRTER, "IC ADC 12BIT SAR 16WQFN", Manufacturer="Texas Instruments", Digikey Link=https://www.digikey.com.au/en/products/detail/texas-instruments/ADS7028IRTER/12696020?s=N4IgTCBcDaIIIBEDKB2ADGAHASQEoBUBRXEAXQF8g, Digikey Part Number=ADS7028IRTER, Part Number=ADS7028IRTER
U11: library part CMP-110-000007-1, "DIGITAL ISOLATOR, SINGLE CHANNEL", Digikey Link=#https://www.analog.com/media/en/technical-documentation/data-sheets/ADuM210N.pdf#, Part Number=ADuM210N
U12: library part CMP-022-000013-1, "IC COMP LO PWR SGL V SOT 23-5L", Part Number=TS391ILT
U15: "DIGITAL ISOLATOR, DUAL CHANNEL", Manufacturer="Analogue Devices", Part Number=ADuM225N
U16: Digikey Part Number=1734-1646-ND, Angle=90, Contact="Copper Alloy", Digikey Link=https://www.digikey.com.au/products/en?keywords=dtf13-4p, Flange=Yes, Part Number=DTF13-4P, Pitch=9.12mm, Positions=4, Row Spacing=4.45mm
U17: library part MC7812BDTRKG, "IC REG LINEAR 12V 1A DPAK", Digikey Part Number=MC7812BDTRKGOSTR-ND, Input Voltage=12-35V, Manufacturer=Onsemi, Output Current=1A, Output Voltage=12V, Part Number=MC7812BDTRKG
U18: Digikey Part Number=296-TLV7031QDBVRQ1CT-ND, Input Voltage="1.6 to 6.5 V", Manufacturer="Texas Instruments", Channels=1, Output=Push-Pull, Part Number=TLV7031-Q1
U19: "35V 50ma Optocoupler (VF=1.2V)", Digikey Part Number=160-1893-2-ND, Manufacturer="Lite-On Inc", Digikey Link=https://www.digikey.com/product-detail/en/lite-on-inc/LTV-817S-TA1/160-1893-2-ND/388451, Part Number=LTV-817S-TA1
U23: "IC OSC SGL TIMER 100KHZ 8-SOIC", Digikey Part Number=296-6501-1-ND, Manufacturer="Texas Instruments", Digikey Link=https://www.digikey.com.au/product-detail/en/texas-instruments/NE555DR/296-6501-1-ND/372490, Part Number=NE555DR

## Via types
v1: diameter 0.5, hole 0.25, Top Layer to Bottom Layer, 676 vias
v2: diameter 0.8, hole 0.4, Top Layer to Bottom Layer, 2 vias
v3: diameter 1.27, hole 0.711, Top Layer to Bottom Layer, 1 vias

## Nets (pads, with @x,y where several pads share a name; then routed paths per layer and width w, separated by ;. In a path a pad name is that pad's centre, name@x,y a point inside that pad or via, vN(x,y) a via of type N, cw(c..) or ccw(c..) an arc to the next point about the centre after c; other vN are vias at no path point)
0V: C1.1 C3.1 C4.1 C5.1 C6.1 C7.1 C8.1 C9.1 C10.1 C14.1 C15.1 C16.1 C17.1 C18.1 C19.1 C20.1 C47.1 C55.1 C56.1 C57.1 CS.3 D16.K Q5.S Q6.S R6.1 R57.3 R61.1 U1.5 U3.3 U4.3 U5.5 U5.10 U5.11 U6.1 U15.4 U18.2 | length 6
  Top Layer w0.254: -130.683,-12.954 U18.2@-130.683,-11.303 ; -124.587,-46.736 U3.3@-123.333,-46.736
  Bottom Layer w0.254: -119.888,-73.025 -119.884,-73.021 U5.10@-118.61,-73.021 ; U5.5@-116.61,-70.231 -114.935,-70.231 -114.808,-70.358
  other v1: -151.13,-81.407 -149.606,-81.407 -147.955,-81.407 -146.431,-81.407 -145.034,-81.407 -143.383,-81.407 -141.732,-81.407 -140.335,-81.407 -138.811,-81.407 -137.16,-81.407 -135.636,-81.407 -134.239,-81.407 -132.715,-81.407 -131.064,-81.407 -129.54,-81.407 -128.016,-81.407 -126.492,-81.407 -124.841,-81.407 -123.317,-81.407 -121.793,-81.407 -120.269,-81.407 -118.618,-81.407 -117.094,-81.407 -115.57,-81.407 -114.046,-81.407 -112.395,-81.407 -110.871,-81.407 -109.474,-81.407 -107.823,-81.407 -151.892,-80.518 -107.315,-80.391 -150.237,-79.493 -147.737,-79.493 -145.237,-79.493 -142.737,-79.493 -140.237,-79.493 -137.737,-79.493 -135.237,-79.493 -122.737,-79.493 -120.237,-79.493 -115.237,-79.493 -112.737,-79.493 -151.892,-78.867 -107.315,-78.74 -151.892,-77.47 -107.315,-77.216 -148.987,-76.993 -146.487,-76.993 -108.987,-76.993 -151.892,-75.946 -107.315,-75.819 -150.237,-74.493 -147.737,-74.493 -145.237,-74.493 -137.737,-74.493 -135.237,-74.493 -112.737,-74.493 -151.892,-74.295 -107.315,-74.168 -151.892,-72.771 -107.315,-72.644 -148.987,-71.993 -138.987,-71.993 -113.987,-71.993 -111.487,-71.993 -108.987,-71.993 -151.892,-71.247 -107.315,-70.993 -151.892,-69.723 -150.237,-69.493 -147.737,-69.493 -137.737,-69.493 -135.237,-69.493 -112.737,-69.493 -110.237,-69.493 -107.315,-69.342 -151.892,-68.072 -107.315,-67.818 -148.987,-66.993 -138.987,-66.993 -133.987,-66.993 -111.487,-66.993 -108.987,-66.993 -151.892,-66.548 -151.892,-65.024 -150.237,-64.493 -132.737,-64.493 -112.737,-64.493 -110.237,-64.493 -107.315,-64.008 -151.892,-63.5 -138.987,-61.993 -131.487,-61.993 -118.987,-61.993 -116.487,-61.993 -113.987,-61.993 -111.487,-61.993 -108.987,-61.993 -151.892,-61.849 -107.95,-61.722 -151.892,-60.325 -109.347,-60.325 -145.237,-59.493 -142.737,-59.493 -140.237,-59.493 -137.737,-59.493 -135.237,-59.493 -130.237,-59.493 -120.237,-59.493 -117.737,-59.493 -112.737,-59.493 -110.744,-58.928 -151.892,-58.801 -112.141,-57.531 -151.892,-57.277 -138.987,-56.993 -136.487,-56.993 -121.487,-56.993 -118.987,-56.993 -151.892,-55.626 -142.737,-54.493 -135.237,-54.493 -132.737,-54.493 -130.237,-54.493 -127.737,-54.493 -125.237,-54.493 -122.737,-54.493 -120.237,-54.493 -151.892,-54.102 -151.892,-52.705 -117.094,-52.705 -133.987,-51.993 -131.487,-51.993 -128.987,-51.993 -126.487,-51.993 -123.987,-51.993 -121.487,-51.993 -118.364,-51.308 -151.892,-51.181 -118.781,-49.82 -151.892,-49.53 -151.892,-48.006 -143.987,-46.993 -138.987,-46.993 -151.892,-46.609 -151.892,-45.212 -145.237,-44.493 -140.237,-44.493 -137.737,-44.493 -135.237,-44.493 -122.737,-44.493 -118.745,-43.815 -151.892,-43.561 -118.745,-42.291 -151.892,-42.164 -138.987,-41.993 -136.487,-41.993 -133.987,-41.993 -131.487,-41.993 -128.987,-41.993 -126.487,-41.993 -123.987,-41.993 -121.487,-41.993 -151.892,-40.64 -118.745,-40.64 -142.737,-39.493 -140.237,-39.493 -137.737,-39.493 -135.237,-39.493 -132.737,-39.493 -127.737,-39.493 -122.737,-39.493 -151.892,-38.989 -151.892,-37.465 -121.487,-36.993 -118.987,-36.993 -151.892,-35.941 -118.745,-35.814 -132.737,-34.493 -130.237,-34.493 -127.737,-34.493 -125.237,-34.493 -120.237,-34.493 -151.892,-34.417 -118.745,-34.417 -118.745,-32.893 -151.892,-32.766 -146.487,-31.993 -141.487,-31.993 -138.987,-31.993 -136.487,-31.993 -126.487,-31.993 -151.892,-31.242 -151.892,-29.718 -147.737,-29.493 -145.237,-29.493 -140.237,-29.493 -137.737,-29.493 -135.237,-29.493 -130.237,-29.493 -125.237,-29.493 -122.737,-29.493 -120.237,-29.493 -118.745,-28.702 -151.892,-28.194 -118.745,-27.305 -146.487,-26.993 -141.487,-26.993 -136.487,-26.993 -133.987,-26.993 -121.487,-26.993 -151.892,-26.543 -118.745,-25.908 -151.892,-25.019 -117.983,-24.511 -147.737,-24.493 -140.237,-24.493 -135.237,-24.493 -132.737,-24.493 -125.237,-24.493 -120.237,-24.493 -151.892,-23.495 -116.713,-23.241 -141.487,-21.993 -115.316,-21.971 -114.046,-21.463 -112.395,-21.463 -110.871,-21.463 -109.347,-21.463 -100.965,-21.209 -99.314,-21.209 -135.001,-19.558 -137.737,-19.493 -122.737,-19.493 -120.237,-19.493 -128.905,-18.034 -141.487,-16.993 -128.987,-16.993 -121.487,-16.993 -103.987,-16.993 -101.487,-16.993 -128.651,-16.002 -122.737,-14.493 -120.237,-14.493 -115.237,-14.493 -130.81,-14.097 -136.487,-11.993 -135.001,-11.43
0V_(ISO): C2.1 C21.1 C22.1 C23.1 C24.1 C25.1 C30.2 C31.2 C35.1 C42.2 C43.2 C48.1 D11.K D12.K P2.5 P2.6 P9.1 P10.3 Q1.S Q2.S R7.1 U1.4 U6.4 U8.5 U8.18 U8.26 U8.36 U8.37 U9.2 U9.8 U11.5 U11.7 U13.2 U13.8 U15.5 | length 13.8
  Top Layer w0.254: C25.1@-92.329,-40.386 -91.44,-40.386 -90.908,-39.854 U8.26@-89.999,-39.854 ; v1(-89.535,-32.889) -89.511,-32.889 -89.249,-33.151 U8.18@-89.249,-35.604 ; U8.36@-85.249,-41.104 -84.88,-41.104 -83.288,-42.696 C23.1@-82.829,-42.696 ; U13.2@-72.644,-59.766 v1(-72.644,-58.293)
  Bottom Layer w0.254: P2.5@-101.391,-38.227 P2.6@-97.491,-38.227
  other v1: -70.358,-61.087 -68.834,-61.087 -67.183,-61.087 -65.532,-61.087 -64.008,-61.087 -62.484,-61.087 -99.695,-60.96 -91.567,-60.96 -90.043,-60.96 -88.392,-60.96 -86.741,-60.96 -85.217,-60.96 -83.566,-60.96 -81.915,-60.96 -62.484,-59.563 -100.237,-59.493 -65.237,-59.493 -62.484,-58.039 -105.645,-57.448 -101.487,-56.993 -96.487,-56.993 -91.487,-56.993 -88.987,-56.993 -86.487,-56.993 -83.987,-56.993 -81.487,-56.993 -106.934,-56.261 -108.204,-54.991 -105.237,-54.493 -100.237,-54.493 -97.737,-54.493 -90.237,-54.493 -85.237,-54.493 -62.484,-53.213 -106.487,-51.993 -96.487,-51.993 -91.487,-51.993 -86.487,-51.993 -78.987,-51.993 -71.487,-51.993 -62.484,-51.562 -112.141,-50.927 -62.484,-49.911 -112.649,-49.657 -90.237,-49.493 -85.237,-49.493 -80.237,-49.493 -75.237,-49.493 -72.737,-49.493 -70.237,-49.493 -65.237,-49.493 -62.484,-48.387 -112.649,-48.133 -111.487,-46.993 -98.987,-46.993 -96.487,-46.993 -86.487,-46.993 -78.987,-46.993 -76.487,-46.993 -73.987,-46.993 -71.487,-46.993 -112.649,-46.736 -112.649,-45.466 -112.649,-44.069 -112.649,-42.672 -111.487,-41.993 -103.987,-41.993 -81.487,-41.993 -112.649,-41.275 -91.174,-40.12 -88.265,-39.497 -87.249,-39.497 -86.233,-39.497 -80.237,-39.493 -77.737,-39.493 -75.237,-39.493 -70.237,-39.493 -88.265,-38.354 -87.249,-38.354 -86.233,-38.354 -106.553,-37.973 -88.265,-37.211 -87.249,-37.211 -86.233,-37.211 -112.649,-37.084 -111.487,-36.993 -78.987,-36.993 -71.487,-36.993 -62.484,-36.957 -112.649,-35.687 -62.484,-35.306 -110.237,-34.493 -100.237,-34.493 -97.737,-34.493 -95.237,-34.493 -112.649,-34.29 -62.484,-33.782 -112.649,-32.766 -62.484,-32.258 -106.487,-31.993 -66.487,-31.993 -70.237,-29.493 -112.649,-29.21 -96.266,-28.829 -94.615,-28.829 -93.218,-28.829 -91.567,-28.829 -89.916,-28.829 -88.519,-28.829 -87.122,-28.829 -85.598,-28.829 -83.947,-28.829 -82.296,-28.829 -80.772,-28.829 -79.121,-28.829 -77.47,-28.829 -75.819,-28.829 -74.295,-28.829 -72.644,-28.829 -70.993,-28.829 -69.342,-28.829 -67.691,-28.829 -66.167,-28.829 -110.617,-28.575 -108.839,-28.575